# Allegro board FPGA-FINAL.brd (continued)
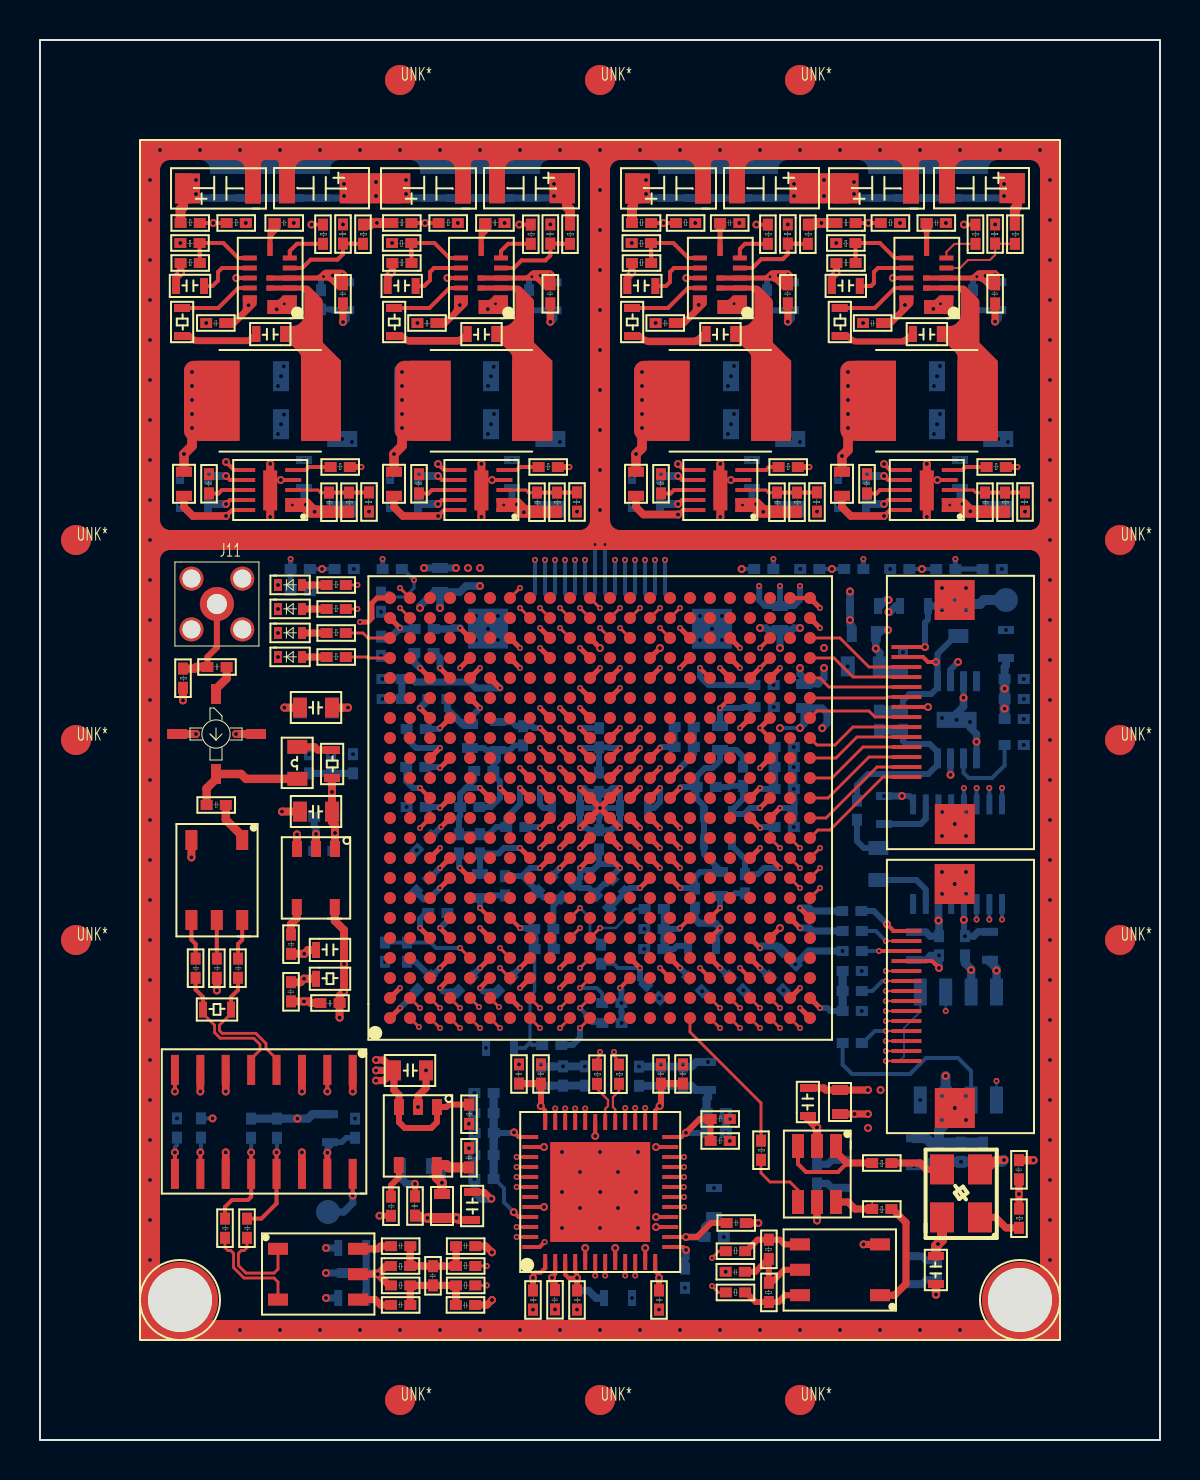
[diagram p0: board, top side]
## Routing (per net, layer and track width the routed paths; a pad name or vN(x,y) marks a point on that pad's centre or on a via; arc(x,y) is an arc through that point) (continued)
  BOTTOM w0.32: v2(32,33.6) 32.69,34.29 C558.1 C554.1
  BOTTOM w0.36: v2(19,36.6) 19.41,37.01 C490.1 ; C617.2 v1(14.3,8.35) ; C615.2 v1(14.3,9.6) ; v4(46.5,35.9) 46.5,35.63 46.83,35.3 v1(46.83,34.91) ; v4(40.13,24.45) 38.44,24.45 v4(37.77,23.78) ; v1(12.22,36.62) 12.58,36.62 12.62,36.58 C665.1 ; v2(19,38.6) 18.72,38.88 C614.1 ; C549.1 38.61,26.45 38.46,26.6 v2(38,26.6) ; C551.1 44.3,24 44.53,24.23 v4(44.95,24.23) v1(44.95,23.6) ; C662.1 44.09,7.79 44.31,8.01 C193.1 ; v1(38.85,15.63) C210.1 39.4,13.79 39.62,14.01 C663.1 ; C480.1 13.71,29.91 13.8,30 v1(13.8,30.3) 13.8,30.6 13.71,30.69 C145.1 ; v4(46.25,25.19) 46.69,25.19 46.91,25.41 C205.1 ; v4(43.7,13.69) 44.22,13.69 44.44,13.91 v4(44.95,13.91) ; C641.2 v1(14.3,7.1) ; v4(37.69,30.65) 37.69,31.29 37.7,31.3 37.7,31.98 37.69,31.99 v4(37.69,32.55) v4(37.69,33.65) v4(37.69,34.65) ; v4(42.2,32.2) v1(43.1,32.2) ; C575.1 33.8,25.3 34,25.5 v2(34,25.6) 33.76,25.84 32.96,25.84 32.75,26.05 C511.1
  BOTTOM w0.38: C375.1 15.31,56.05 v1(15.15,55.9) ; v1(42.43,41.4) 42.5,41.4 42.8,41.7 R139.1 ; C373.1 37.55,56.07 v1(37.39,55.92) ; v1(18.75,12.81) 18.33,12.81 18.1,13.04 C207.1 ; v1(47.76,55.92) 47.92,56.08 C372.1 ; 25.68,56.48 25.68,56.06 v1(25.52,55.91) ; C192.1 20.6,40.55 20.65,40.6 v2(21,40.6) ; C468.1 42,41.7 42.3,42 v1(42.43,42) ; v1(46.18,37.11) 46.18,36.68 45.83,36.33 v4(45.83,36.01)
  BOTTOM w0.4: v4(27.25,18.68) v4(26.15,18.68) 25.63,18.68 25.62,18.67 v4(25.05,18.67) ; v1(22.56,12.06) 22.06,12.06 21.72,12.4 v4(21.72,13.05) v4(21.72,14.25) 21.72,14.68 21.73,14.69 v4(21.73,15.35) 21.73,15.78 21.72,15.79 v4(21.72,16.35) v4(21.72,17.35) ; v4(29.95,18.67) v4(31.05,18.67) v4(32.15,18.67) 32.58,18.67 32.81,18.9 v4(33.4,18.9) ; v4(34.29,15.35) v4(34.29,16.35)
  BOTTOM w0.5: v1(48.2,14) 48.11,13.91 v4(47.15,13.91) v4(46.05,13.91) v4(44.95,13.91)
  vias: v1(5.5,63) v1(5.5,61) v1(5.5,59) v1(5.5,57) v1(5.5,55) v1(5.5,53) v1(5.5,51) v1(5.5,49) v1(5.5,47) v1(5.5,45) v1(5.5,43) v1(5.5,41) v1(5.5,39) v1(5.5,37) v1(5.5,35) v1(5.5,33) v1(5.5,31) v1(5.5,29) v1(5.5,27) v1(5.5,25) v1(5.5,23) v1(5.5,21) v1(5.5,19) v1(5.5,17) v1(5.5,15) v1(5.5,13) v1(5.5,11) v1(5.5,9) v1(6,64.5) v1(8,64.5) v1(10,64.5) v1(10,5.5) v1(11.84,56.54) v1(12,64.5) v1(12,5.5) v1(14,64.5) v1(14,5.5) v1(16,64.5) v1(16,5.5) v1(18,64.5) v1(18,5.5) v1(20,64.5) v1(20,5.5) v1(22,64.5) v1(22,5.5) v1(22.39,56.54) v1(24,64.5) v1(24,5.5) v1(26,64.5) v1(26,5.5) v1(28,64.5) v1(28,62.5) v1(28,60.5) v1(28,58.5) v1(28,56.5) v1(28,54.5) v1(28,52.5) v1(28,50.5) v1(28,48.5) v1(28,46.5) v1(28,5.5) v1(30,64.5) v1(30,5.5) v1(32,64.5) v1(32,5.5) v1(34,64.5) v1(34,5.5) v1(36,64.5) v1(36,5.5) v1(38,64.5) v1(38,5.5) v1(40,64.5) v1(40,5.5) v1(42,64.5) v1(42,5.5) v1(44,64.5) v1(44,5.5) v1(44.67,56.56) v1(46,64.5) v1(46,5.5) v1(48,64.5) v1(50,64.5) v1(50.5,63) v1(50.5,61) v1(50.5,59) v1(50.5,57) v1(50.5,55) v1(50.5,53) v1(50.5,51) v1(50.5,49) v1(50.5,47) v1(50.5,45) v1(50.5,43) v1(50.5,41) v1(50.5,39) v1(50.5,37) v1(50.5,35) v1(50.5,33) v1(50.5,31) v1(50.5,29) v1(50.5,27) v1(50.5,25) v1(50.5,23) v1(50.5,21) v1(50.5,19) v1(50.5,17) v1(50.5,15) v1(50.5,13) v1(50.5,11) v1(50.5,9) v2(12.21,56.81) v2(22.77,56.81) v2(34.71,56.81) v2(45.02,56.81) v3(7.02,59.85) v3(8.31,55.85) v3(8.45,48.29) v3(10.29,60.85) v3(11.9,42.75) v3(11.9,41.55) v3(11.9,40.35) v3(11.9,39.15) v3(12.69,60.85) v3(15.15,60.78) v3(16.45,46.42) v3(17.6,59.85) v3(18.87,55.85) v3(18.95,48.29) v3(20.89,60.85) v3(21.45,15.81) v3(21.45,14.59) v3(23.23,60.85) v3(23.95,18.78) v3(24.65,6.52) v3(25.05,18.78) v3(25.52,60.78) v3(25.75,6.53) v3(26.1,14.4) v3(26.1,12.4) v3(26.1,10.6) v3(26.85,46.42) v3(26.85,6.52) v3(27,13.4) v3(27,11.6) v3(28,14.4) v3(28.01,12.4) v3(28,10.6) v3(28.9,13.4) v3(28.9,11.6) v3(29.59,59.85) v3(29.8,12.4) v3(29.9,14.4) v3(29.9,10.6) v3(30.78,55.85) v3(30.95,6.52) v3(31.05,48.29) v3(31.05,18.78) v3(32.15,18.78) v3(32.76,60.85) v3(34.28,8.41) v3(34.49,16.05) v3(34.49,14.95) v3(34.97,60.85) v3(37.39,60.78) v3(38.85,46.42) v3(39.81,59.85) v3(41.15,55.85) v3(41.35,48.29) v3(43,60.85) v3(45.1,42.6) v3(45.1,41.5) v3(45.1,31.4) v3(45.1,30.2) v3(45.1,28.4) v3(45.1,27.3) v3(45.1,17.2) v3(45.1,16) v3(45.29,60.85) v3(45.73,42) v3(45.74,30.8) v3(45.73,27.8) v3(45.74,16.6) v3(46.3,42.6) v3(46.3,41.5) v3(46.3,31.4) v3(46.3,30.2) v3(46.3,28.4) v3(46.3,27.3) v3(46.3,17.2) v3(46.3,16) v3(47.76,60.78) v3(49.25,46.42) v4(6.85,16.08) v4(7,48.2) v4(7,46.8) v4(11.9,52.7) v4(11.9,50.3) v4(12.05,53.19) v4(12.05,50.79) v4(12.19,53.68) v4(12.2,51.27) v4(13.2,49) v4(13.45,34.29) v4(13.49,42.45) v4(14.6,50.2) v4(14.55,34.29) v4(15.11,50.05) v4(15.6,49.9) v4(15.69,43.55) v4(15.65,34.29) v4(15.75,16.07) v4(17.05,41.41) v4(17.05,39.21) v4(17.12,38.05) v4(17.13,37.05) v4(17.25,23.91) v4(17.5,48.2) v4(18.33,31.65) v4(18.84,29.49) v4(21.8,41.2) v4(21.8,40) v4(22.3,19.6) v4(22.4,52.71) v4(22.4,50.3) v4(22.4,40.57) v4(22.55,53.19) v4(22.55,50.79) v4(22.68,53.66) v4(22.7,51.3) v4(22.9,41.2) v4(22.9,40) v4(23.6,49) v4(24.65,6.51) v4(25,50.2) v4(25.52,50.05) v4(26,49.9) v4(26.85,6.51) v4(29.6,48.2) v4(29.6,46.8) v4(29.6,7.1) v4(30.22,25.55) v4(30.21,24.55) v4(30.95,6.51) v4(30.97,22.08) v4(32.25,7.61) v4(33,41.2) v4(33,40) v4(33.11,22.44) v4(33.6,40.56) v4(33.7,12.6) v4(34.1,41.2) v4(34.1,40) v4(34.19,10.15) v4(34.4,52.7) v4(34.4,50.3) v4(34.55,53.19) v4(34.55,50.79) v4(34.7,53.7) v4(34.7,51.3) v4(35.17,22.48) v4(35.6,49) v4(36.68,37.75) v4(36.69,36.65) v4(37,50.2) v4(37.17,22.48) v4(37.51,50.05) v4(38,49.9) v4(38.01,43.55) v4(39.9,48.2) v4(39.9,46.8) v4(40.39,38.68) v4(41.09,23.45) v4(41.09,21.45) v4(42.51,43.55) v4(43.15,39.39) v4(44.02,17) v4(44.7,52.7) v4(44.7,50.3) v4(44.85,53.19) v4(44.85,50.79) v4(45,53.7) v4(45,51.3) v4(45.1,36.1) v4(46,49) v4(47.4,50.2) v4(47.91,50.05) v4(48.09,43.55) v4(48.3,40.5) v4(48.4,49.9) v4(49.19,38.05) v4(49.19,37.05) v4(49.19,36.05) v4(49.19,34.75) v5(17.5,46.8)
VBAT_IN: length 117.8
  TOP w0.5: C68.2 48.85,61.66 48.74,61.56 R68.2 ; R62.2 26.5,61.51 26.35,61.66 C64.2 ; R51.2 16.85,60.85 v1(16.84,60.85) 16.57,60.85 16.49,60.77 R59.2 ; R55.2 v1(39.07,60.85) 38.78,60.85 38.7,60.77 R65.2 ; C65.2 29.65,61.65 29.6,61.6 R53.2 ; R49.2 7.03,61.53 7.15,61.65 C61.2
  PWR-L6 w0.6: v1(14.64,58.23) 14.64,59.84 15.2,60.4 v1(15.2,62.2) v1(15.2,62.8) ; v1(14.64,58.23) 14.59,58.17 v2(14.18,58.17) ; v1(14.64,58.23) 15.05,58.23 v2(15.11,58.28) ; v2(37.38,58.3) 37.33,58.24 v1(36.94,58.24) ; v1(47.28,58.21) 47.24,58.17 v2(46.84,58.17) ; v1(47.28,58.21) 47.28,59.58 48.2,60.5 v1(48.2,62.2) v1(48.2,62.8) 44.2,62.8 44.1,62.9 v1(40.7,62.9) ; v1(47.28,58.21) 47.68,58.21 v2(47.75,58.28) ; v2(25.51,58.27) 25.46,58.22 v1(25.04,58.22) ; v1(37.7,62.8) v1(37.7,62.2) ; v1(37.7,62.8) 35.1,62.8 34.9,63 v1(30.3,63) ; v1(37.7,62.8) 38.2,62.8 38.4,63 v1(39.2,63) ; v1(39.2,63) 40.12,63 40.22,62.9 v1(40.7,62.9) ; v1(39.2,63) v1(39.2,62.2) 39.2,61.72 39.07,61.59 v1(39.07,60.85) 38.45,60.85 36.94,59.34 v1(36.94,58.24) ; v1(30.3,63) v1(30.3,62.3) ; v1(30.3,63) 29.62,63 29.12,63.5 27,63.5 26.3,62.8 v1(25.7,62.8) ; v1(40.7,62.9) v1(40.7,62.3) ; v1(36.94,58.24) 36.87,58.16 v2(36.5,58.16) ; v1(25.7,62.8) v1(25.7,62.2) 25.7,60.5 25.04,59.84 v1(25.04,58.22) ; v1(25.7,62.8) 22,62.8 21.8,63 v1(18.3,63) v1(18.3,62.3) ; v1(15.2,62.8) 11.6,62.8 11.5,62.9 9.3,62.9 9.2,63 v1(7.8,63) ; v1(15.2,62.8) 16,62.8 16.1,62.9 v1(16.8,62.9) v1(16.8,62.2) 16.8,61.72 16.84,61.68 v1(16.84,60.85) ; v1(25.04,58.22) 24.98,58.16 v2(24.59,58.16)
  PWR-L6 w0.7: v1(18.3,63) 17.6,63 17.5,62.9 v1(16.8,62.9) ; v1(7.8,63) v1(7.8,62.3)
  BOTTOM w0.3: v2(14.18,58.17) 14.05,58.04 C674.1 ; v2(36.5,58.16) 36.35,58.01 C676.1 ; v2(24.59,58.16) 24.45,58.02 C675.1 ; C677.1 46.65,57.98 v2(46.84,58.17)
  BOTTOM w0.36: v1(25.7,62.2) 25.6,62.1 C383.2 C382.2 C367.2 C368.2 C369.2 18.5,62.1 v1(18.3,62.3) ; v1(40.7,62.3) 40.9,62.1 C385.2 C386.2 C387.2 C364.2 C365.2 48.1,62.1 v1(48.2,62.2) ; v1(15.2,62.2) 15.1,62.1 C376.2 C384.2 C366.2 C370.2 C371.2 8,62.1 v1(7.8,62.3) ; v1(30.3,62.3) 30.5,62.1 C377.2 C378.2 C381.2 C380.2 C379.2 37.6,62.1 v1(37.7,62.2)
  BOTTOM w0.38: C375.2 14.98,57.89 v1(14.64,58.23) ; C373.2 37.3,57.88 v1(36.94,58.24) ; C372.2 47.6,57.89 v1(47.28,58.21) ; 25.68,57.88 25.38,57.88 v1(25.04,58.22)
VCCA_2V5: length 84.2
  TOP w0.2: v2(41.95,24.45) 42.28,24.45 42.28,24.45 43.32,24.45 ; U20.T6 v2(32,25.6) ; U20.G6 v2(24,25.6) ; U20.U18 v2(33,38.6)
  TOP w0.3: U20.F18 v2(23,37.6)
  PWR-L6 w0.3: 24,27.5 21.26,30.24 21.26,37.06 21.8,37.6 v2(23,37.6) 26,37.6 27.9,39.5 32.7,39.5 ; 24,27.5 v2(24,25.6) ; 24,27.5 28.1,27.5 30,25.6 v2(32,25.6) 32.9,24.7 34.5,24.7 35.2,25.4 36.7,25.4 37.65,24.45 v2(41.95,24.45) ; 32.7,39.5 33,39.2 v2(33,38.6) ; 32.7,39.5 32.8,39.5 33.9,40.6 v1(36,40.6) ; v1(36,40.6) v1(38,40.6) v1(37,39.6) v1(36,40.6)
  BOTTOM w0.16: C579.2 24.73,22.43 24.5,22.2 24.5,19.86
  BOTTOM w0.2: C484.1 v2(41.95,24.45) ; R352.1 24.61,19.75 24.5,19.86 24.24,19.6 C474.2
  BOTTOM w0.3: C564.1 31.19,25.56 R356.1 ; C564.1 31.18,25.04 31.17,25.03 C578.2 31.7,24.55 31.85,24.7 C575.2 ; C564.1 31.95,25.55 v2(32,25.6) ; v2(33,38.6) 33,38.17 33.42,37.75 C482.1 ; v2(24,25.6) 24.3,25.6 24.35,25.55 C565.1
  BOTTOM w0.36: L37.2 36.4,40.5 36.3,40.6 v1(36,40.6) ; L37.2 v1(37,39.6) ; L37.2 37.6,40.5 37.7,40.6 v1(38,40.6) ; C483.1 18.09,38.04 C473.2 18.62,38.05 18.77,37.9 21.5,37.9 21.8,37.6 v2(23,37.6)
  BOTTOM w0.4: C565.1 24.71,25.07 24.73,25.05 C579.2
VCCINT_1V2: length 119.4
  TOP w0.25: v2(26,35.6) U20.K15 ; U20.J13 v2(25,33.6) ; v2(26,28.6) U20.K9 ; v2(26,34.6) U20.K14 ; v2(25,36.6) U20.J16 ; U20.J14 v2(25,34.6) ; U20.M9 v2(29,28.6) ; U20.N9 v2(30,28.6) ; v2(23,32.6) U20.G12 ; U20.P14 v2(31,34.6) ; v2(32,32.6) U20.R12 ; U20.L14 v2(27,34.6) ; U20.R10 v2(32,29.6) ; U20.P9 v2(31,28.6) ; v2(31,33.6) U20.P13 ; U20.L16 v2(27,36.6) ; v2(29,34.6) U20.M14 ; v2(25,32.6) U20.J12 ; U20.P12 v2(31,32.6) ; U20.R8 v2(32,27.6) ; U20.N14 v2(30,34.6) ; U20.P11 v2(31,30.6) ; U20.J11 v2(25,30.6) ; U20.L9 v2(27,28.6) ; U20.J10 v2(25,29.6) ; U20.M15 v2(29,35.6) ; v2(24,29.6) U20.H9 ; v2(31,29.6) U20.P10
  PWR-L6 w0.38: v2(32,29.6) v2(31,29.6) ; v2(31,29.6) v2(31,28.6) ; v2(31,29.6) v2(31,30.6) v2(31,32.6) ; v2(31,34.6) 31.5,35.1 33.4,35.1 35.3,37 37.3,37 38,36.3 v1(38,35.6) ; v2(31,34.6) v2(31,33.6) v2(31,32.6) ; v2(31,34.6) v2(30,34.6) ; v2(31,28.6) v2(32,27.6) ; v2(31,28.6) v2(30,28.6) v2(29,28.6) v2(27,28.6) v2(26,28.6) v2(25,29.6) ; v2(25,29.6) v2(25,30.6) v2(25,32.6) v2(25,33.6) v2(25,34.6) v2(26,34.6) ; v2(25,29.6) v2(24,29.6) 23,30.6 v2(23,32.6) 23,35.9 23.7,36.6 v2(25,36.6) v2(26,35.6) ; v2(26,35.6) v2(27,36.6) 28,36.6 v2(29,35.6) ; v2(26,35.6) v2(26,34.6) ; v2(29,34.6) v2(27,34.6) v2(26,34.6) ; v2(29,34.6) v2(30,34.6) ; v2(29,34.6) v2(29,35.6) ; v2(31,32.6) v2(32,32.6) ; v2(30,34.6) v2(29,35.6) ; v1(38,35.6) 38.52,35.6 38.53,35.59 v1(39.11,35.59) ; v1(38,35.6) v1(37,35.6)
  BOTTOM w0.2: v1(38,35.6) v1(37,35.6)
  BOTTOM w0.3: 27.95,28.8 28.8,28.8 v2(29,28.6) 28.59,28.19 C501.2 28.33,27.8 28.2,27.8 27.79,27.39 C555.2 27.45,27.6 26.97,27.6 C514.2 26.76,27.85 27.01,28.1 27.01,28.59 ; 27.95,28.8 C556.2 ; 27.95,28.8 27.65,28.5 27.1,28.5 27.01,28.59 ; C550.2 22.55,31.65 23,32.1 v2(23,32.6) 23,32.93 22.67,33.26 C557.2 22.67,33.77 22.9,34 C517.2 ; v2(31,32.6) 31,31.9 30.7,31.6 C463.2 ; C517.2 23.5,34.5 23.73,34.73 C534.2 ; C517.2 22.3,34.5 22.2,34.6 L39.2 ; 27.01,28.59 v2(27,28.6) ; C554.2 C558.2 31.05,34.65 v2(31,34.6) ; C506.2 35.15,34.17 34.82,34.5 L38.2 34,33.97 33.63,33.6 33.25,33.6 32.83,33.18 C486.2 ; C469.2 25.17,31.6 25,31.77 v2(25,32.6) ; C526.2 28.48,34.63 28.51,34.6 v2(29,34.6) ; C526.2 27.92,34.6 v2(27,34.6) ; C526.2 C520.2 ; C499.2 25.56,28.16 v2(26,28.6) ; v2(24,29.6) 23.2,29.6 22.93,29.33 C548.2 22,29.33 L41.2 ; C486.2 32.05,32.65 v2(32,32.6) ; C486.2 32.83,32.07 33.2,31.7 C516.2 C530.2 33.2,29.3 34,28.5 L40.2 33,28.4 32.75,28.15 C511.2 32.72,27.6 v2(32,27.6) ; v2(25,30.6) 24.95,30.65 C502.2
  BOTTOM w0.36: v1(38,35.6) 38.2,35.8 L35.1 39.1,36.6 39.35,36.35 39.35,35.84 v1(39.11,35.59)
VCCIO_3V3: length 309.7
  TOP w0.2: 43.32,25.45 42.69,25.45 v1(42.35,25.79) ; v1(23.7,15.38) 23.93,15.15 U33.37 ; U33.36 25.26,16.48 v1(25.04,16.7) ; v1(30.98,16.7) 30.76,16.48 U33.25 ; U20.Y19 v2(36,38.6) ; v1(32.3,15.36) 32.09,15.15 U33.24 ; U33.45 23.93,11.15 v1(23.69,11.39)
  TOP w0.25: U20.D12 v2(20,31.6) ; U20.D16 v2(20,35.6) ; U20.W9 v2(36,29.6) ; v2(20,33.6) U20.D14 ; v2(31,38.6) U20.P18 ; v2(20,38.6) U20.D18 ; U20.W5 v2(36,24.6) ; U20.G19 v2(24,38.6) ; U20.E8 v2(21,28.6) ; U20.E19 v2(21,38.6) ; U20.N4 v2(30,23.6) ; v2(27,39.6) U20.L19 ; U20.AB21 v2(39,40.6) ; v2(26,23.6) U20.K4 ; v2(22,23.6) U20.F4 ; U20.U4 v2(34,23.6) ; U20.R4 v2(32,23.6) ; U20.T19 v2(32,38.6) ; v2(36,32.6) U20.W12 ; v2(20,28.6) U20.D9 ; U20.J20 v2(25,40.6) ; U20.D5 v2(20,25.6) ; U20.W11 v2(36,30.6) ; U20.V19 v2(35,38.6) ; v2(36,38.6) U20.W18 ; U20.AA6 v2(38,25.6) ; v2(18,40.6) U20.A21 ; U20.AB2 v2(39,21.6) ; U20.A2 v2(18,22.6) ; U20.W16 v2(35,35.6) ; U20.D4 v2(20,23.6) ; U20.Y14 v2(36,33.6) ; U20.D11 v2(20.05,30.65) ; U20.H4 v2(24,23.6) ; v2(36,23.6) U20.W4
  TOP w0.3: v1(25.04,16.7) 25.05,16.71 C667.2 ; C670.2 C671.2 32.99,16.05 v1(32.3,15.36) ; v1(30.98,16.7) 31.05,16.77 C666.2
  TOP w0.36: C191.2 39.19,17.6 39.29,17.5 L21.1 v1(41.4,17.5) ; C669.2 C666.2 ; C668.2 C667.2
  PWR-L6 w0.3: 17.13,39.8 17.43,39.5 19.7,39.5 20,39.2 v2(20,38.6) v2(21,38.6) ; 17.13,39.8 17.13,36.1 ; 17.13,39.8 17.13,41 ; 31,15.9 31,16.68 v1(30.98,16.7) ; 31,15.9 25.14,15.9 25.04,15.8 ; 31,15.9 31.76,15.9 ; v2(21,28.6) v2(20,28.6) 18.9,28.6 18.2,29.3 ; 22.7,40.6 v2(25,40.6) 26,39.6 v2(27,39.6) ; 22.7,40.6 21.7,41.6 ; 22.7,40.6 22.8,40.5 22.8,39.2 23.4,38.6 v2(24,38.6) ; 18,31.6 v2(20,31.6) 20,31.17 20.05,31.12 v2(20.05,30.65) ; 18,31.6 18.2,31.4 18.2,29.3 ; 18,31.6 17.13,32.47 17.13,34.2 ; v1(32.3,15.36) 31.76,15.9 ; 31.76,15.9 33.36,17.5 v1(41.4,17.5) ; 18.2,29.3 18.2,27.3 ; 34,22.8 v2(34,23.6) ; 34,22.8 32,22.8 ; 34,22.8 35.7,22.8 36,23.1 v2(36,23.6) ; 18.2,27.3 18.7,26.8 19.6,26.8 20,26.4 v2(20,25.6) ; 18.2,27.3 18.2,24.8 ; 21.7,41.6 22,41.9 v1(22,42.7) 22.7,42.7 23.3,43.3 24.5,43.3 25.1,42.7 33.3,42.7 ; 21.7,41.6 v1(20,41.6) v1(19,41.6) 19,41 18.6,40.6 v2(18,40.6) 17.53,40.6 17.13,41 ; v1(23.7,15.38) 24.38,15.38 24.5,15.26 ; 46.55,22.2 v1(46.55,23.5) 46.55,24.15 46.4,24.3 44,24.3 42.85,25.45 42.69,25.45 v1(42.35,25.79) ; 46.55,22.2 v1(47.83,23.48) ; 46.55,22.2 46.55,19.47 v1(45.28,18.2) 44.59,17.5 v1(42.03,17.5) ; v2(36,33.6) v2(36,32.6) 37.5,32.6 38.3,31.8 38.3,30.6 ; 33.3,42.7 33.3,42.3 33.83,41.77 38.07,41.77 ; 33.3,42.7 33.3,44.1 33.8,44.6 36.12,44.6 v2(36.67,44.05) ; v1(42.35,25.79) 42.35,27.55 39.3,30.6 38.3,30.6 ; v1(42.35,25.79) 38.62,25.79 38.43,25.6 v2(38,25.6) ; v2(45.77,44.05) 45.22,44.6 42.6,44.6 42.05,44.05 v2(41.17,44.05) 40.87,43.75 40.75,43.75 39.6,42.6 38.9,42.6 38.07,41.77 ; 17.13,36.1 17.63,35.6 v2(20,35.6) ; 17.13,36.1 17.13,34.2 ; 38.3,30.6 v2(36,30.6) v2(36,29.6) ; v2(36,23.6) v2(36,24.6) ; v2(36,23.6) 38.2,23.6 39,22.8 v2(39,21.6) ; v2(20,33.6) 17.73,33.6 17.13,34.2 ; 17.13,41 v2(17.13,44.05) 16.58,44.6 13.9,44.6 13.35,44.05 v2(12.53,44.05) ; 24.5,15.26 24.5,12.2 v1(23.69,11.39) ; 24.5,15.26 25.04,15.8 ; 25.04,15.8 v1(25.04,16.7) ; v2(18,22.6) 18,23.03 18.2,23.23 18.2,24.8 ; 38.07,41.77 38.07,41.53 v2(39,40.6) 39.7,40.6 40.4,39.9 40.4,38.4 39.9,37.9 36.7,37.9 v2(36,38.6) v2(35,38.6) 34.4,38 32.6,38 v2(32,38.6) v2(31,38.6) ; 32,22.8 30.37,22.8 30,23.17 v2(30,23.6) 28.3,23.6 27.8,23.1 26.5,23.1 v2(26,23.6) v2(24,23.6) 23.2,22.8 22.8,22.8 v2(22,23.6) v2(20,23.6) 18.8,24.8 18.2,24.8 ; 32,22.8 v2(32,23.6)
  PWR-L6 w0.36: v1(41.4,17.5) v1(42.03,17.5)
  PWR-L6 w0.38: v2(35,35.6) 35,34.6 v2(36,33.6)
  BOTTOM w0.2: C500.2 22.73,13.05 23.2,12.58 23.2,11.88 v1(23.69,11.39) ; v2(30,23.6) 28.9,23.6 28.69,23.81 R351.1
  BOTTOM w0.26: v2(45.77,44.05) R314.2 C561.2 ; R293.2 v2(36.67,44.05) ; R310.2 v2(12.53,44.05) ; R311.2 v2(41.17,44.05) ; R295.2 v2(17.13,44.05)
  BOTTOM w0.3: C587.1 19.57,30.17 v2(20.05,30.65) ; v2(36,23.6) 36.44,23.16 C545.2 ; v2(39,21.6) 39.38,21.6 39.53,21.45 C581.2 ; R355.1 18.78,23.91 C582.1 19.57,23.17 v2(20,23.6) ; v1(42.35,25.79) 41.69,26.45 C549.2 ; v2(20,35.6) 19.95,35.55 C593.1 ; C602.2 19.51,28.11 v2(20,28.6) ; C521.2 23.56,23.16 v2(24,23.6) ; C586.1 31.05,16.77 v1(30.98,16.7) ; C562.2 21.56,23.16 v2(22,23.6) ; C505.2 R310.2 ; v2(21,28.6) 20.95,28.65 C208.2 ; v1(32.3,15.36) 32.31,15.35 C608.2 ; C584.1 23.67,15.35 v1(23.7,15.38) ; v2(20,33.6) 19.95,33.65 C599.2 ; v2(30,23.6) 30,23.05 C523.2 ; C533.2 34.44,23.16 v2(34,23.6) ; v1(25.04,16.7) 25.05,16.71 C583.1 ; C498.1 32.43,23.17 v2(32,23.6) ; C598.2 36.05,30.65 v2(36,30.6) ; v2(20,31.6) 19.95,31.65 C588.1 ; v2(36,32.6) 36.05,32.55 C597.2 ; v2(20,25.6) 20.37,25.97 C612.2
  BOTTOM w0.36: C559.2 36.85,24.7 36.1,24.7 v2(36,24.6) ; C202.2 C512.2 C597.2 ; v2(20,38.6) 20,39.1 19.75,39.35 C614.2 ; v2(38,25.6) 38.46,25.6 38.61,25.45 R375.2 ; C217.2 17.57,40.17 v2(18,40.6) 18.05,40.55 C192.2
  BOTTOM w0.38: L36.2 21,42.4 21.3,42.7 v1(22,42.7) ; L36.2 19.7,42.4 19,41.7 v1(19,41.6) ; L36.2 v1(20,41.6)
  BOTTOM w0.4: C585.1 C586.1 C471.1 32.58,17.71 32.79,17.5 C465.2 ; C209.2 C580.2 25.59,17.72 25.58,17.71 C583.1
  BOTTOM w0.42: C205.2 47.5,23.9 47.83,23.58 v1(47.83,23.48) U49.8 ; C608.2 C481.2 33.33,17.05 33.4,17.12 C465.2 ; C478.2 C510.2 22.68,15.36 C584.1 22.69,14.92 22.68,14.91 C470.2 C500.2 ; C199.2 46.25,23.85 46.55,23.55 v1(46.55,23.5) U49.7 ; C581.2 R362.2 C198.2
  BOTTOM w0.5: C519.2 44.95,15.48 45.28,15.81 v1(45.28,18.2) ; C519.2 44.53,14.87 44.31,15.09 C464.2 ; C519.2 C544.2 C524.2
A_DEMP: length 13.1
  TOP w0.14: U20.Y10 v2(37,29.6)
  SIGNAL-L8 w0.14: v2(46.2,32.59) 46.2,30.7 45.6,30.1 37.5,30.1 v2(37,29.6)
  BOTTOM w0.2: U24.13 v2(46.2,32.59)
A_FMT: length 14.1
  TOP w0.14: U20.AA10 v2(38,29.6)
  SIGNAL-L8 w0.14: v2(47.47,32.6) 47.47,30.06 46.5,29.1 38.5,29.1 v2(38,29.6)
  BOTTOM w0.2: U24.15 v2(47.47,32.6)
A_MUTE: length 11.9
  TOP w0.14: U20.AB9 v2(39,29.6)
  SIGNAL-L8 w0.14: v2(39,29.6) 46,29.6 46.83,30.43 v2(46.83,32.6)
  BOTTOM w0.2: U24.14 v2(46.83,32.6)
AD0: length 15.6
  TOP w0.14: U33.18 v2(32.2,12.15) ; U20.Y2 v2(37,21.6)
  SIGNAL-L3 w0.14: v2(32.2,12.15) 36.25,12.15 37.5,13.4 37.5,21.1 v2(37,21.6)
AD1: length 14.6
  TOP w0.14: U33.19 v2(32.19,12.65) ; v2(37,20.6) U20.Y1
  SIGNAL-L3 w0.14: v2(37,20.6) 37,14.2 36.67,13.87 36.48,13.87 36.07,14.28 35.88,14.28 35.68,14.08 35.68,13.88 36.08,13.48 36.08,13.28 35.45,12.65 v2(32.19,12.65)
AD2: length 15
  TOP w0.14: U33.20 v2(32.2,13.15) ; U20.W2 v2(36,21.6)
  SIGNAL-L3 w0.14: v2(32.2,13.15) 34.05,13.15 34.8,13.9 34.8,15.4 35.09,15.69 35.29,15.69 35.94,15.04 36.14,15.04 36.33,15.23 36.33,15.43 35.68,16.08 35.68,16.28 36.5,17.1 36.5,21.1 v2(36,21.6)
AD3: length 15.6
  TOP w0.14: U33.21 v2(32.2,13.65) ; v2(36,20.6) U20.W1
  SIGNAL-L3 w0.14: v2(36,20.6) 36,18.5 35.4,17.9 35.07,17.9 34.93,17.76 34.93,17.24 34.79,17.1 34.51,17.1 34.37,17.24 34.37,17.76 34.23,17.9 33.95,17.9 33.81,17.76 33.81,17.24 33.67,17.1 33.39,17.1 33.25,17.24 33.25,17.66 33.11,17.8 32.64,17.8 32.5,17.66 32.5,17.1 33.8,15.8 33.8,14.2 33.25,13.65 v2(32.2,13.65)
AD4: length 15.2
  TOP w0.14: U33.22 v2(32.2,14.15) ; U20.V2 v2(35,21.6)
  SIGNAL-L3 w0.14: v2(35,21.6) 35.5,21.1 35.5,18.9 35,18.4 32.3,18.4 31.9,18.8 31.3,18.8 31,18.5 31,17.7 33.1,15.6 33.1,14.5 32.75,14.15 v2(32.2,14.15)
AD5: length 14.8
  TOP w0.14: U20.V1 v2(35,20.6) ; U33.26 v2(30.26,16.6)
  SIGNAL-L3 w0.14: v2(35,20.6) 35,19.4 34.5,18.9 32.8,18.9 32,19.7 32,21.6 31.7,21.9 30.9,21.9 30.7,21.7 30.7,21 30.26,20.56 v2(30.26,16.6)
AD6: length 16.1
  TOP w0.14: U20.U2 v2(34,21.6) ; U33.27 v2(29.76,16.6)
  SIGNAL-L3 w0.14: v2(29.76,16.6) 29.76,21.26 30.1,21.6 30.1,22.2 30.4,22.5 32.06,22.5 32.7,21.86 32.7,20 33.2,19.5 34.1,19.5 34.5,19.9 34.5,21.1 v2(34,21.6)
AD7: length 15.6
  TOP w0.14: U20.U1 v2(34,20.6) ; U33.28 v2(29.26,16.6)
  SIGNAL-L3 w0.14: v2(29.26,16.6) 29.26,21.76 29.5,22 29.5,22.7 29.9,23.1 33.1,23.1 33.4,22.8 33.4,20.2 33.6,20 33.8,20 34,20.2 v2(34,20.6)
AD8: length 16.5
  TOP w0.14: U33.32 v2(27.26,16.58) ; U20.H2 v2(25,21.6)
  SIGNAL-L3 w0.14: v2(25,21.6) 25.4,22 25.4,22.5 24.6,23.3 24.6,23.9 25,24.3 26.1,24.3 26.5,23.9 26.5,19.6 27.2,18.9 28.4,18.9 28.7,18.6 28.7,17.44 28.46,17.2 27.5,17.2 27.26,16.96 v2(27.26,16.58)
AD9: length 14.7
  TOP w0.14: U20.H1 v2(25,20.6) ; U33.33 v2(26.76,16.58)
  SIGNAL-L3 w0.14: v2(26.76,16.58) 26.76,17.36 27.07,17.67 28.06,17.67 28.2,17.81 28.2,18.09 28.06,18.23 26.9,18.23 25.79,19.35 25.34,19.35 25.1,19.11 25.1,18.64 24.96,18.5 24.4,18.5 23.5,17.6 23.3,17.6 23.1,17.8 23.1,18 24.1,19 24.1,19.76 24.24,19.9 24.76,19.9 25,20.14 v2(25,20.6)
AD10: length 14.9
  TOP w0.14: U20.F2 v2(22.95,21.65) ; U33.34 v2(26.26,16.58)
  SIGNAL-L3 w0.14: v2(22.95,21.65) 23.1,21.5 23.1,21.2 23,21.1 22.54,21.1 22.4,21.24 22.4,22.1 22.6,22.3 23.3,22.3 23.5,22.1 23.5,19.2 22.6,18.3 22.6,17.6 23.1,17.1 23.7,17.1 24.5,17.9 25.9,17.9 26.26,17.54 v2(26.26,16.58)
AD11: length 15
  TOP w0.14: U33.35 v2(25.76,16.58) ; U20.F1 v2(23,20.6)
  SIGNAL-L3 w0.14: v2(23,20.6) 23,19.65 22.55,19.2 22.27,19.2 21.6,18.54 21.6,18.34 21.74,18.2 21.9,18.2 22.05,18.05 22.05,17.85 21.7,17.5 21.7,17.3 21.84,17.17 22.13,17.17 22.5,16.8 22.5,16.44 22.36,16.3 21.64,16.3 21.5,16.16 21.5,15.74 21.64,15.6 23,15.6 23.23,15.83 23.23,16.03 23.16,16.09 23.16,16.41 23.3,16.55 23.5,16.55 23.62,16.42 23.82,16.42 24.8,17.4 25.4,17.4 25.76,17.04 v2(25.76,16.58)
AD12: length 14.7
  TOP w0.14: U33.39 v2(23.83,14.15) ; U20.E1 v2(22,20.6)
  SIGNAL-L3 w0.14: v2(22,20.6) 22,20 21.05,19.05 21.05,18.85 21.15,18.75 21.15,18.55 20.95,18.35 20.76,18.35 20.65,18.46 20.46,18.46 20.1,18.1 20.1,17.83 20.24,17.69 21.06,17.69 21.2,17.55 21.2,17.27 21.06,17.13 20.24,17.13 20.1,16.99 20.1,16.2 22.15,14.15 22.56,14.15 22.7,14.29 22.7,14.7 22.9,14.9 23.18,14.9 23.32,14.76 23.32,14.29 23.46,14.15 v2(23.83,14.15)
AD13: length 14.9
  TOP w0.14: U33.40 v2(23.83,13.65) ; U20.D2 v2(21,21.6)
  SIGNAL-L3 w0.14: v2(21,21.6) 21.5,21.1 21.5,20.4 19,17.9 19,17.7 19.2,17.5 19.4,17.5 19.5,17.4 19.5,17.04 19.36,16.9 18.94,16.9 18.8,16.76 18.8,16.3 18.9,16.2 19.2,16.2 21.75,13.65 v2(23.83,13.65)
AD14: length 14.6
  TOP w0.14: U20.C2 v2(20,21.6) ; U33.41 v2(23.83,13.15)
  SIGNAL-L3 w0.14: v2(20,21.6) 20.4,21.2 20.4,20.2 18.3,18.1 18.3,16.2 21.35,13.15 v2(23.83,13.15)
AD15: length 14.7
  TOP w0.14: U20.C1 v2(20,20.6) ; U33.42 v2(23.83,12.65)
  SIGNAL-L3 w0.14: v2(20,20.6) 19.1,19.7 18.6,19.7 18.35,19.45 18.35,19.15 18.35,19.15 18.35,18.95 17.8,18.4 17.8,15.9 21.05,12.65 v2(23.83,12.65)
AD_CLKN: length 14.7
  TOP w0.109: v2(28.7,19.4) 28.7,19.2 28.95,18.95 R169.2
  TOP w0.14: U20.G3 v2(23,23.6)
  SIGNAL-L3 w0.109: v2(23,23.6) 22.62,23.98 22.32,23.98 22,24.3 22,24.7 22.7,25.4 23.45,25.4 23.85,25 26.7,25 28.55,23.15 28.55,19.55 v2(28.7,19.4)
AD_CLKP: length 13.5
  TOP w0.109: R167.2 27.85,19.05 28,19.2 v2(28,19.4)
  TOP w0.14: v2(23,24.6) U20.G4
  SIGNAL-L3 w0.109: v2(28,19.4) 28.3,19.7 28.3,23.05 26.6,24.75 23.75,24.75 23.35,25.15 22.8,25.15 22.25,24.6 22.25,24.4 22.43,24.22 22.62,24.22 v2(23,24.6)
AD_DITH: length 15.6
  TOP w0.14: U20.AA1 v2(38,20.6) ; U33.17 v2(32.2,11.65)
  SIGNAL-L3 w0.14: v2(32.2,11.65) 36.65,11.65 38.25,13.25 38.25,20.35 v2(38,20.6)
AD_PGA: length 14.5
  TOP w0.14: U33.47 v2(23.83,10.15) ; v2(18.95,20.65) U20.B1
  SIGNAL-L4 w0.14: v2(23.83,10.15) 22.75,10.15 21,11.9 21,17.1 18.95,19.15 v2(18.95,20.65)
AD_RAND: length 14.8
  TOP w0.14: U33.46 v2(23.83,10.65) ; U20.B2 v2(19,21.6)
  SIGNAL-L4 w0.14: v2(23.83,10.65) 23.05,10.65 21.7,12 21.7,17.8 19.5,20 19.5,21.1 v2(19,21.6)
ADC_3V3: length 39
  TOP w0.2: U33.1 25.26,8.6 25.03,8.37 24.75,8.37 24.65,8.27 v1(24.65,8.11) ; U33.3 26.26,8.27 26.42,8.11 v1(26.85,8.11) 26.85,8.31 26.76,8.4 U33.4 ; v1(32.3,9.5) 32.15,9.65 U33.13 ; U33.12 30.76,8.44 30.95,8.25 v1(30.95,8.11) ; U33.14 v1(32.3,10.15)
  TOP w0.3: C218.2 v1(24.65,8.11) ; C613.2 33.55,10.85 32.85,10.15 v1(32.3,10.15) ; C639.2 v1(30.95,8.11) ; C640.2 v1(26.85,8.11)
  TOP w0.38: v1(19.37,11.1) 19.1,11.1 18.98,11.22 C213.2 ; C214.2 20.93,11 v1(20.83,11.1)
  TOP w0.5: v1(19.37,11.1) L22.2 v1(20.83,11.1)
  PWR-L6 w0.3: v1(19.37,11.1) v1(20.83,11.1)
  PWR-L6 w0.36: 30.2,8.9 31.3,8.9 31.55,9.15 ; 30.2,8.9 30.2,8.86 v1(30.95,8.11) ; 30.2,8.9 26.5,8.9 ; v1(24.65,8.11) 24.3,8.46 24.3,8.9 ; 24.3,8.9 23.66,8.9 23.3,9.26 23.3,9.7 22.7,10.3 21,10.3 20.83,10.47 v1(20.83,11.1) ; 24.3,8.9 26.5,8.9 ; 31.55,9.15 31.57,9.14 31.94,9.14 v1(32.3,9.5) ; 31.55,9.15 31.55,10.15 31.6,10.2 32.25,10.2 v1(32.3,10.15) ; 26.5,8.9 26.5,8.46 v1(26.85,8.11)
  BOTTOM w0.3: C638.2 v1(24.65,8.11) ; C637.2 v1(26.85,8.11) ; C616.2 v1(30.95,8.11)
  BOTTOM w0.36: C660.2 32.25,9.05 32.3,9.1 v1(32.3,9.5) ; C661.2 v1(32.3,10.15)
  BOTTOM w0.38: C673.2 33.7,11.12 33.23,10.65 C661.2 ; C637.2 27.43,7.47 27.8,7.1 C672.2
